# Allegro board SDHCalFEB20180110.brd (continued)
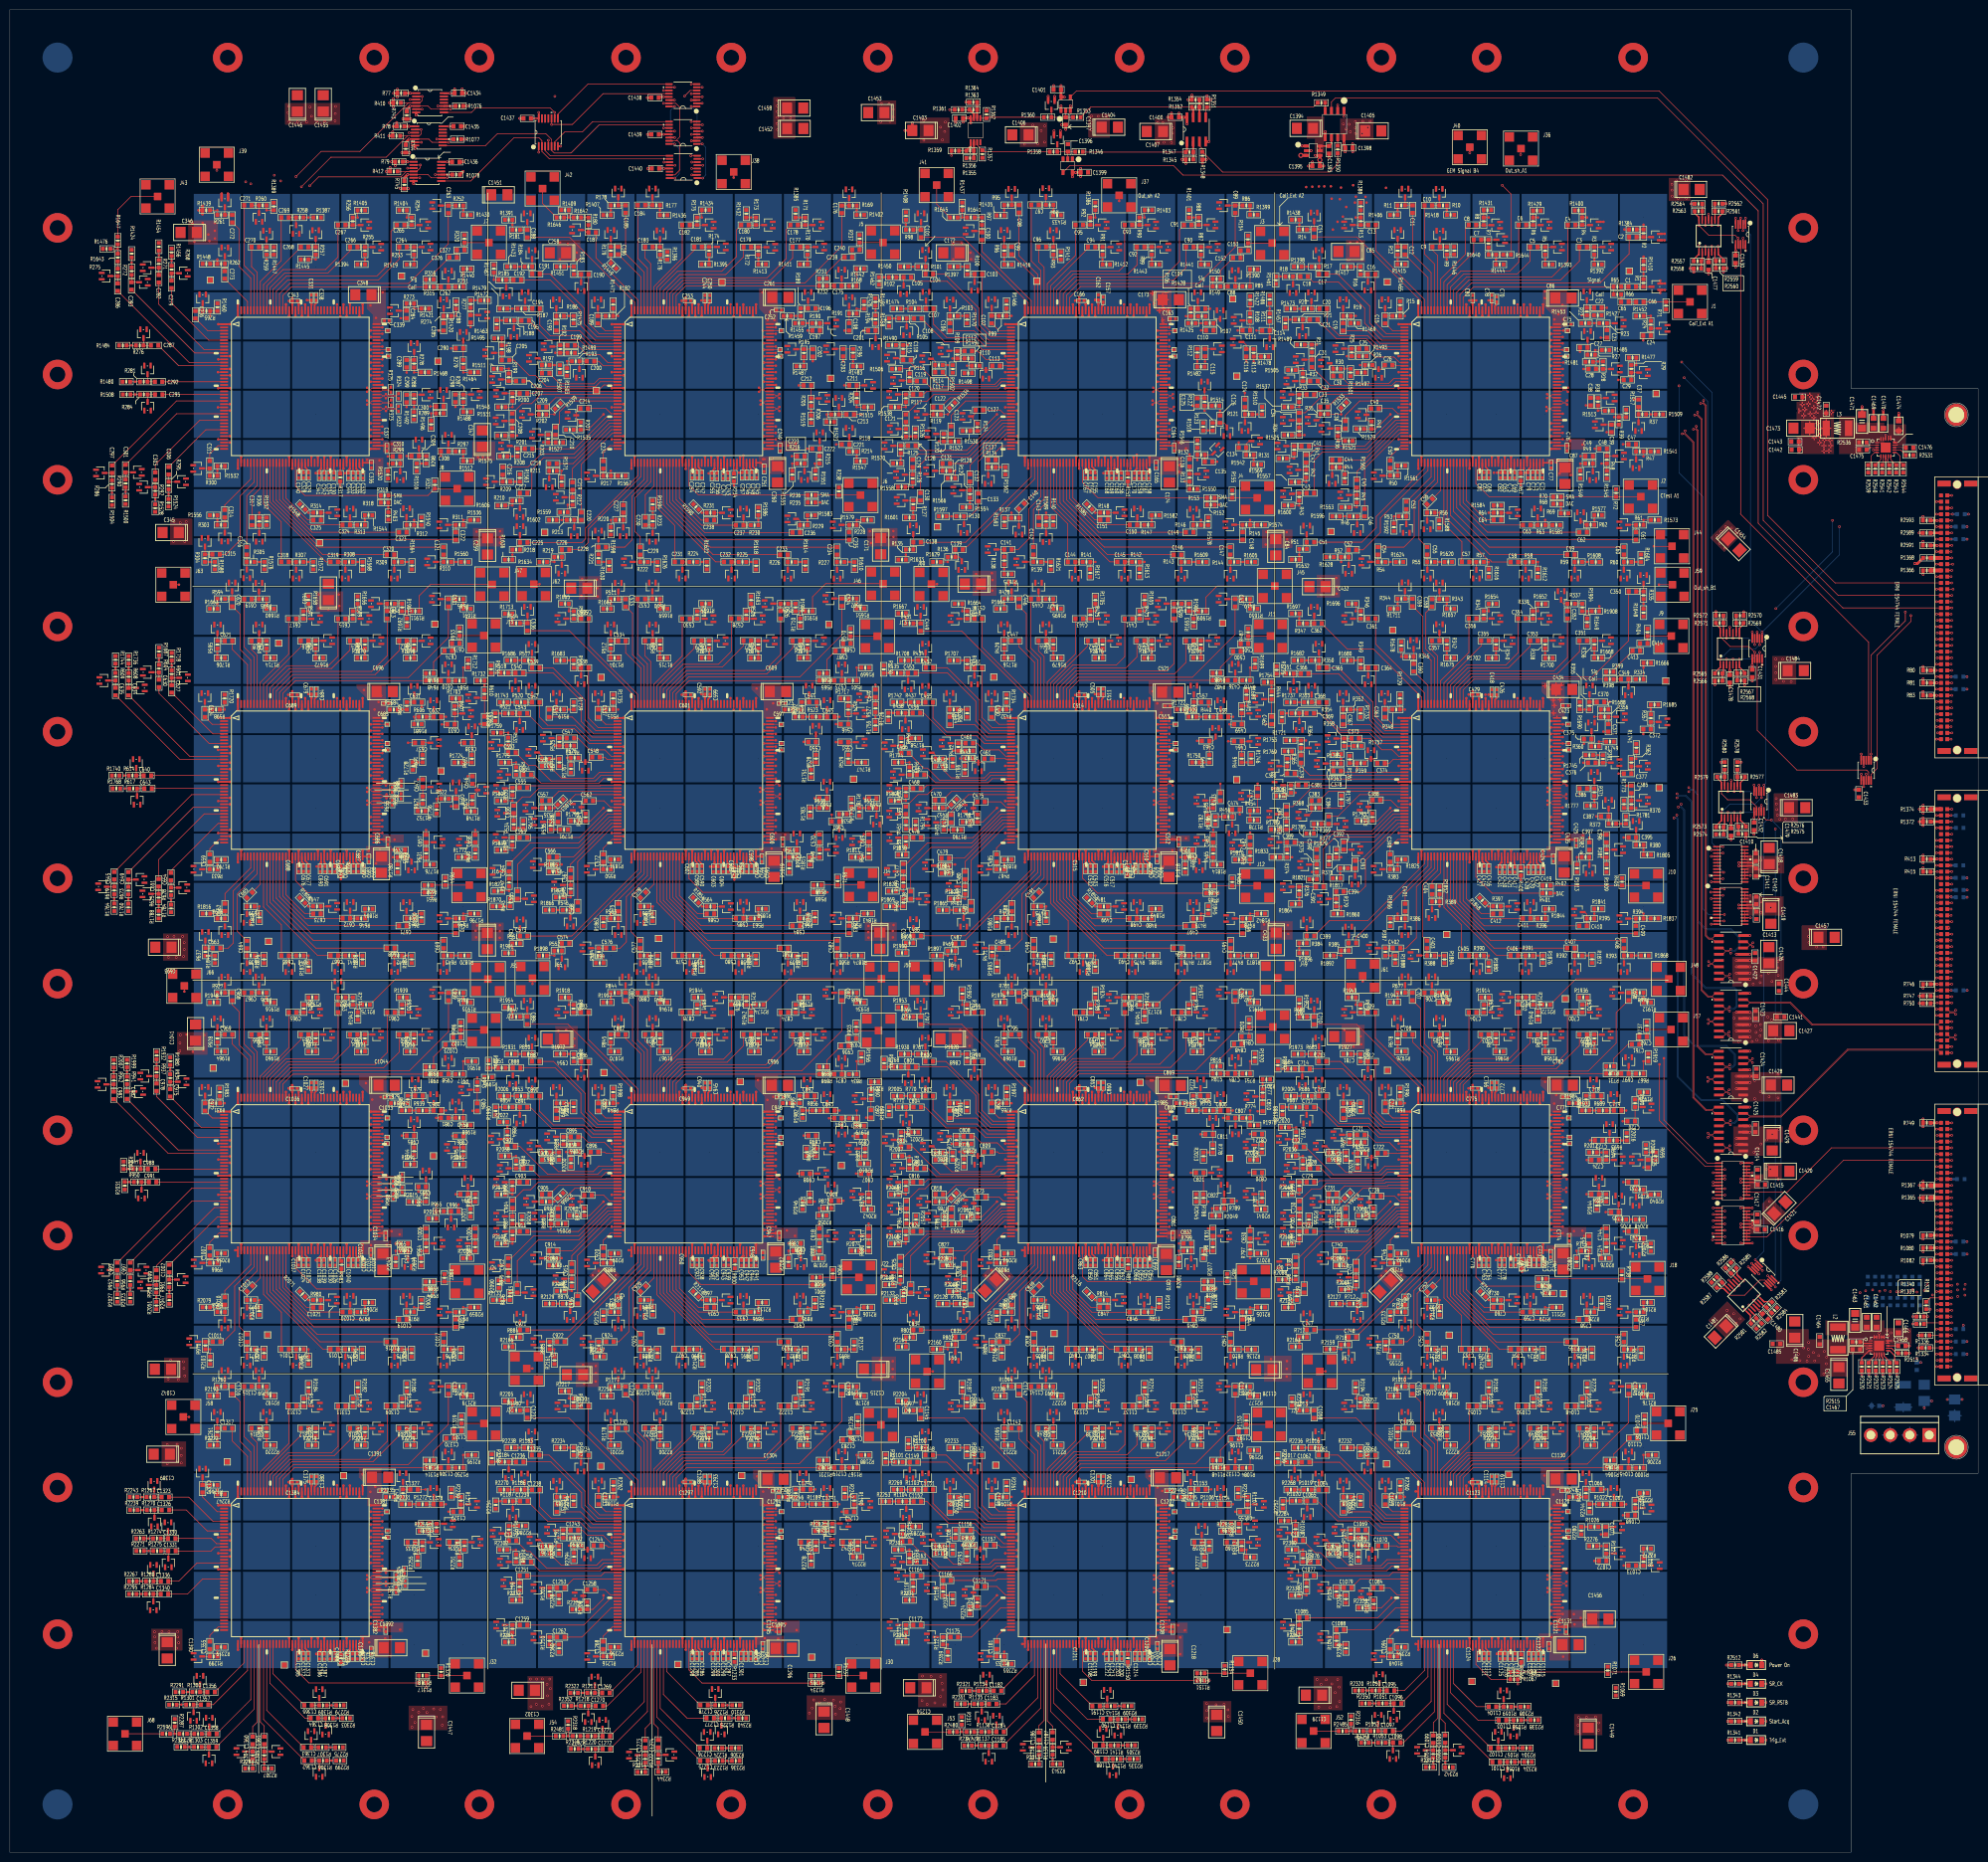
[diagram p0: board, top side]
## Routing (per net, layer and track width the routed paths; a pad name or vN(x,y) marks a point on that pad's centre or on a via; arc(x,y) is an arc through that point) (continued)
ESD_SIGNAL13_ASIC_D3: length 3
  TOP w0.127: C1231.1 114.64,90.67 R1179.2 114.62,90.68 U923.3
ESD_SIGNAL14_ASIC_A1: length 3.2
  TOP w0.127: U14.3 265.21,330.39 265.22,330.38 C14.1 264.58,329.78 264.57,329.76 R14.2
ESD_SIGNAL14_ASIC_A2: length 3.2
  TOP w0.127: U79.3 185.28,330.29 185.28,330.29 C101.1 184.65,329.69 184.64,329.7 R98.2
ESD_SIGNAL14_ASIC_A3: length 3.1
  TOP w0.127: U144.3 105.22,331.28 C188.1 R181.2
ESD_SIGNAL14_ASIC_B1: length 3.1
  TOP w0.127: R347.2 264.63,249.71 264.63,249.7 C362.1 265.23,250.34 265.23,250.34 U274.3
ESD_SIGNAL14_ASIC_B5: length 3.1
  TOP w0.127: R431.2 C449.1 185.21,250.3 185.2,250.32 U339.3
ESD_SIGNAL14_ASIC_B6: length 3.1
  TOP w0.127: R514.2 C536.1 105.25,250.36 105.26,250.36 105.26,251.33
ESD_SIGNAL14_ASIC_C1: length 3.1
  TOP w0.127: U534.3 265.23,169.76 C710.1 R680.2
ESD_SIGNAL14_ASIC_C2: length 3
  TOP w0.127: R764.2 C797.1 185.21,171.29 U599.3
ESD_SIGNAL14_ASIC_C3: length 3
  TOP w0.127: U664.3 105.21,169.78 C884.1 R847.2
ESD_SIGNAL14_ASIC_D1: length 3
  TOP w0.127: C1058.1 R1013.2 263.73,89.77 U794.3
ESD_SIGNAL14_ASIC_D2: length 3
  TOP w0.127: R1097.2 C1145.1 185.2,89.78 U859.3
ESD_SIGNAL14_ASIC_D3: length 3
  TOP w0.127: R1180.2 C1232.1 105.21,89.81 U924.3
ESD_SIGNAL15_ASIC_A1: length 3.1
  TOP w0.127: R15.2 280.6,312.2 280.59,312.2 C15.1 279.66,312.8 279.66,312.81 U15.3
ESD_SIGNAL15_ASIC_A2: length 3.1
  TOP w0.127: U80.3 199.65,312.82 199.66,312.81 C102.1 200.29,312.22 200.3,312.21 R99.2
ESD_SIGNAL15_ASIC_A3: length 3.2
  TOP w0.127: U145.3 119.56,313.04 119.57,313.03 C189.1 R182.2
ESD_SIGNAL15_ASIC_A4: length 3.1
  TOP w0.127: C276.1 R265.2 39.21,314.02 39.22,314.03 U210.3
ESD_SIGNAL15_ASIC_B1: length 3.1
  TOP w0.127: U275.3 279.61,232.82 279.62,232.8 C363.1 R348.2
ESD_SIGNAL15_ASIC_B5: length 3.1
  TOP w0.127: U340.3 199.65,232.81 199.64,232.8 C450.1 R432.2
ESD_SIGNAL15_ASIC_B6: length 3.1
  TOP w0.127: R515.2 C537.1 119.68,232.8 119.66,232.82 U405.3
ESD_SIGNAL15_ASIC_B7: length 3.1
  TOP w0.127: R598.2 C624.1 39.67,233.76 U470.3
ESD_SIGNAL15_ASIC_C1: length 3.1
  TOP w0.127: U535.3 279.68,152.21 C711.1 R681.2
ESD_SIGNAL15_ASIC_C2: length 3.1
  TOP w0.127: U600.3 199.67,152.2 C798.1 R765.2
ESD_SIGNAL15_ASIC_C3: length 3
  TOP w0.127: U665.3 119.69,152.2 C885.1 R848.2
ESD_SIGNAL15_ASIC_C4: length 3
  TOP w0.127: R931.2 C972.1 39.7,152.2 U730.3
ESD_SIGNAL15_ASIC_D1: length 3
  TOP w0.127: U795.3 279.7,73.73 C1059.1 R1014.2
ESD_SIGNAL15_ASIC_D3: length 3
  TOP w0.127: U925.3 119.71,72.22 C1233.1 R1181.2
ESD_SIGNAL15_ASIC_D4: length 3
  TOP w0.127: U990.3 39.19,76.17 C1320.1 R1264.2
ESD_SIGNAL16_ASIC_A1: length 3
  TOP w0.127: U16.3 276.14,319.9 276.14,319.9 C16.1 275.54,320.67 275.53,320.67 R16.2
ESD_SIGNAL16_ASIC_A2: length 3.1
  TOP w0.127: R100.2 195.58,320.68 195.59,320.69 C103.1 196.19,319.87 196.18,319.86 U81.3
ESD_SIGNAL16_ASIC_A3: length 3.1
  TOP w0.127: U146.3 116.15,320.02 116.15,320.03 C190.1 115.56,320.66 115.55,320.67 R183.2
ESD_SIGNAL16_ASIC_B1: length 3.1
  TOP w0.127: U276.3 276.22,240.04 276.21,240.04 C364.1 275.3,240.68 275.3,240.68 R349.2
ESD_SIGNAL16_ASIC_B5: length 3.1
  TOP w0.127: R433.2 195.55,240.68 195.57,240.66 C451.1 196.16,239.84 196.16,239.84 U341.3
ESD_SIGNAL16_ASIC_B6: length 3.1
  TOP w0.127: U406.3 116.15,239.89 116.15,239.89 C538.1 115.56,240.69 115.55,240.68 R516.2
ESD_SIGNAL16_ASIC_C1: length 3.1
  TOP w0.127: R682.2 276.14,160.67 C712.1 276.15,159.11 U536.3
ESD_SIGNAL16_ASIC_C2: length 3
  TOP w0.127: U601.3 196.14,159.13 C799.1 196.13,160.67 R766.2
ESD_SIGNAL16_ASIC_C3: length 3
  TOP w0.127: U666.3 116.15,159.13 C886.1 116.15,160.67 R849.2
ESD_SIGNAL16_ASIC_D1: length 3
  TOP w0.127: 276.12,80.66 C1060.1 ; 276.12,80.66 276.12,80.66 R1015.2 ; 276.12,80.66 U796.3
ESD_SIGNAL16_ASIC_D2: length 3
  TOP w0.127: R1099.2 196.13,80.66 C1147.1 196.14,79.12 U861.3
ESD_SIGNAL16_ASIC_D3: length 3.1
  TOP w0.127: U926.3 116.13,79.12 C1234.1 116.11,80.69 R1182.2
ESD_SIGNAL17_ASIC_A1: length 3.1
  TOP w0.127: U17.3 266.23,322.8 266.22,322.79 R17.2 266.22,321.36 266.2,321.34 C17.1
ESD_SIGNAL17_ASIC_A2: length 3.1
  TOP w0.127: U82.3 186.22,322.8 186.21,322.8 R101.2 C104.1
ESD_SIGNAL17_ASIC_A3: length 3.1
  TOP w0.127: U147.3 106.21,323.79 R184.2 106.21,320.76 C191.1
ESD_SIGNAL17_ASIC_B1: length 3.1
  TOP w0.127: C365.1 266.22,241.6 266.2,241.62 R350.2 266.2,243.81 U277.3
ESD_SIGNAL17_ASIC_B5: length 3.1
  TOP w0.127: C452.1 186.23,241.35 186.22,241.36 R434.2 186.22,242.81 186.21,242.82 U342.3
ESD_SIGNAL17_ASIC_B6: length 3.1
  TOP w0.127: C539.1 106.2,241.32 106.18,241.34 R517.2 106.18,242.79 106.18,242.79 U407.3
ESD_SIGNAL17_ASIC_C1: length 3.1
  TOP w0.127: U537.3 266.17,162.21 R683.2 266.18,160.71 C713.1
ESD_SIGNAL17_ASIC_C2: length 3.1
  TOP w0.127: C800.1 186.17,160.72 R767.2 186.16,162.21 U602.3
ESD_SIGNAL17_ASIC_C3: length 3.1
  TOP w0.127: U667.3 106.18,162.21 R850.2 106.18,160.71 C887.1
ESD_SIGNAL17_ASIC_D1: length 3.1
  TOP w0.127: U797.3 266.15,82.2 R1016.2 266.17,82.18 C1061.1
ESD_SIGNAL17_ASIC_D2: length 3.1
  TOP w0.127: U862.3 186.16,82.2 R1100.2 186.17,80.71 C1148.1
ESD_SIGNAL17_ASIC_D3: length 3
  TOP w0.127: U927.3 106.15,82.2 R1183.2 106.16,80.7 C1235.1
ESD_SIGNAL18_ASIC_A1: length 3.1
  TOP w0.127: C18.1 261.82,320.21 261.82,320.21 R18.2 260.91,319.4 260.93,319.39 U18.3
ESD_SIGNAL18_ASIC_A2: length 3.1
  TOP w0.127: U83.3 181.74,318.42 C105.1 180.85,320.05 180.84,320.07 R102.2
ESD_SIGNAL18_ASIC_A3: length 3.1
  TOP w0.127: U148.3 100.92,317.94 R185.2 102.4,319.53 C192.1
ESD_SIGNAL18_ASIC_A4: length 3
  TOP w0.127: U213.3 33.49,320.87 33.49,320.87 R268.2 32.89,319.99 32.88,319.98 C279.1
ESD_SIGNAL18_ASIC_B1: length 3.1
  TOP w0.127: U278.3 261.06,238.89 261.04,238.9 R351.2 261.62,239.5 261.62,239.49 C366.1
ESD_SIGNAL18_ASIC_B5: length 3.1
  TOP w0.127: U343.3 182.65,238.98 182.65,238.98 C453.1 181.74,239.62 181.73,239.62 R435.2
ESD_SIGNAL18_ASIC_B6: length 1.5
  TOP w0.127: C540.1 102.22,239.64 102.22,239.65 R518.2
ESD_SIGNAL18_ASIC_B7: length 3
  TOP w0.127: C627.1 32.91,237.76 32.92,237.76 R601.2 33.52,238.65 33.52,238.65 U473.3
ESD_SIGNAL18_ASIC_C1: length 3.1
  TOP w0.127: U538.3 262.81,159.17 C714.1 262.81,159.18 R684.2
ESD_SIGNAL18_ASIC_C2: length 3.1
  TOP w0.127: R768.2 182.7,159.59 C801.1 182.7,158.02 U603.3
ESD_SIGNAL18_ASIC_C3: length 1.5
  TOP w0.127: C888.1 102.28,159.38 R851.2
ESD_SIGNAL18_ASIC_C4: length 3
  TOP w0.127: C975.1 32.61,155.07 R934.2 32.62,156.56 U733.3
ESD_SIGNAL18_ASIC_D1: length 3
  TOP w0.127: C1062.1 262.73,79.25 R1017.2 261.26,79.24 U798.3
ESD_SIGNAL18_ASIC_D2: length 3
  TOP w0.127: R1101.2 183,79.27 C1149.1 183,79.27 U863.3
ESD_SIGNAL18_ASIC_D3: length 3.1
  TOP w0.127: C1236.1 102.92,79.32 R1184.2 101.43,77.79 U928.3
ESD_SIGNAL18_ASIC_D4: length 3
  TOP w0.127: U993.3 29.34,72.17 R1267.2 30.83,72.16 C1323.1
ESD_SIGNAL19_ASIC_A1: length 3.1
  TOP w0.127: C19.1 271.12,311.33 271.14,311.35 R19.2 271.14,312.79 271.13,312.81 U19.3
ESD_SIGNAL19_ASIC_A2: length 3
  TOP w0.127: U84.3 191.17,312.81 191.19,312.79 R103.2 191.19,311.33 191.17,311.32 C106.1
ESD_SIGNAL19_ASIC_A3: length 3.1
  TOP w0.127: U149.3 111.13,312.8 111.14,312.79 R186.2 111.14,311.34 111.14,311.34 C193.1
ESD_SIGNAL19_ASIC_B1: length 3.1
  TOP w0.127: C367.1 271.12,231.31 271.11,231.31 R352.2 271.11,232.8 271.1,232.82 U279.3
ESD_SIGNAL19_ASIC_B5: length 3.1
  TOP w0.127: C454.1 191.16,231.31 191.15,231.31 R436.2 191.15,232.8 191.14,232.82 U344.3
ESD_SIGNAL19_ASIC_B6: length 3.1
  TOP w0.127: U409.3 111.15,232.82 111.17,232.8 R519.2 C541.1
ESD_SIGNAL19_ASIC_C1: length 3.1
  TOP w0.127: U539.3 271.2,152.21 R685.2 271.19,150.7 C715.1
ESD_SIGNAL19_ASIC_C2: length 3.1
  TOP w0.127: C802.1 191.18,150.7 R769.2 191.16,152.21 U604.3
ESD_SIGNAL19_ASIC_C3: length 3.1
  TOP w0.127: U669.3 111.15,152.21 R852.2 111.17,150.7 C889.1
ESD_SIGNAL19_ASIC_D1: length 3.1
  TOP w0.127: U799.3 271.17,72.2 R1018.2 271.19,70.69 C1063.1
ESD_SIGNAL19_ASIC_D2: length 3
  TOP w0.127: U864.3 191.19,72.2 R1102.2 191.2,70.68 C1150.1
ESD_SIGNAL19_ASIC_D3: length 3
  TOP w0.127: C1237.1 111.19,70.7 R1185.2 111.18,72.2 U929.3
ESD_SIGNAL20_ASIC_A1: length 3.2
  TOP w0.127: C20.1 265.71,313.67 265.7,313.66 R20.2 264.7,314.26 264.68,314.28 U20.3
ESD_SIGNAL20_ASIC_A2: length 3.2
  TOP w0.127: R104.2 185.7,313.66 185.71,313.65 C107.1 186.31,314.29 186.29,314.3 U85.3
ESD_SIGNAL20_ASIC_A3: length 3.1
  TOP w0.127: U150.3 104.78,315.29 R187.2 106.24,313.66 C194.1
ESD_SIGNAL20_ASIC_B1: length 3.1
  TOP w0.127: U280.3 264.72,234.28 264.73,234.28 R353.2 265.62,233.68 265.62,233.68 C368.1
ESD_SIGNAL20_ASIC_B5: length 3.1
  TOP w0.127: U345.3 186.19,234.31 186.18,234.31 C455.1 185.27,233.68 185.26,233.68 R437.2
ESD_SIGNAL20_ASIC_B6: length 3.1
  TOP w0.127: U410.3 106.2,234.31 106.2,234.31 C542.1 105.6,233.68 105.6,233.68 R520.2
ESD_SIGNAL20_ASIC_C1: length 3
  TOP w0.127: U540.3 266.2,153.67 C716.1 264.71,153.67 R686.2
ESD_SIGNAL20_ASIC_C2: length 3
  TOP w0.127: U605.3 186.19,153.67 C803.1 186.18,153.67 R770.2
ESD_SIGNAL20_ASIC_C3: length 3
  TOP w0.127: R853.2 104.71,153.67 C890.1 106.2,153.67 U670.3
ESD_SIGNAL20_ASIC_D1: length 3
  TOP w0.127: U800.3 266.17,73.65 C1064.1 264.69,73.65 R1019.2
ESD_SIGNAL20_ASIC_D2: length 3
  TOP w0.127: U865.3 186.19,73.7 C1151.1 186.18,73.69 R1103.2
ESD_SIGNAL20_ASIC_D3: length 3
  TOP w0.127: C1238.1 106.17,73.66 R1186.2 104.68,73.67 U930.3
ESD_SIGNAL21_ASIC_A1: length 3.1
  TOP w0.127: C21.1 263.78,311.45 263.77,311.45 R21.2 262.89,310.64 262.88,310.62 U21.3
ESD_SIGNAL21_ASIC_A2: length 3.2
  TOP w0.127: C108.1 183.27,311.67 183.26,311.68 R105.2 182.35,311.09 182.36,311.07 U86.3
ESD_SIGNAL21_ASIC_A3: length 3.1
  TOP w0.127: U151.3 102.52,309.69 R188.2 104.03,311.28 C195.1
ESD_SIGNAL21_ASIC_A4: length 3
  TOP w0.127: U216.3 29.55,322 29.57,322.01 R271.2 30.3,321.44 30.29,321.43 C282.1
ESD_SIGNAL21_ASIC_B1: length 3.1
  TOP w0.127: U281.3 262.2,230.59 262.19,230.61 R354.2 263.08,231.44 263.08,231.44 C369.1
ESD_SIGNAL21_ASIC_B5: length 3.1
  TOP w0.127: C456.1 182.68,231.52 182.67,231.52 R438.2 182.1,230.92 182.11,230.91 U346.3
ESD_SIGNAL21_ASIC_B6: length 3.1
  TOP w0.127: R521.2 102.76,231.42 102.77,231.42 C543.1 103.68,230.78 103.68,230.78 U411.3
ESD_SIGNAL21_ASIC_B7: length 3
  TOP w0.127: C630.1 30.32,238.87 30.33,238.88 R604.2 29.73,239.77 29.72,239.78 U476.3
ESD_SIGNAL21_ASIC_C1: length 3.1
  TOP w0.127: U541.3 263.7,149.84 C717.1 263.7,151.41 R687.2
ESD_SIGNAL21_ASIC_C2: length 3
  TOP w0.127: U606.3 182.27,151.4 R771.2 183.74,151.41 C804.1
ESD_SIGNAL21_ASIC_C3: length 3
  TOP w0.127: U671.3 103.7,151.38 C891.1 103.7,151.38 R854.2
ESD_SIGNAL21_ASIC_C4: length 3
  TOP w0.127: U736.3 29.83,157.71 R937.2 29.84,157.7 C978.1
ESD_SIGNAL21_ASIC_D1: length 3
  TOP w0.127: R1020.2 263.78,71.4 C1065.1 263.79,69.86 U801.3
ESD_SIGNAL21_ASIC_D2: length 3.1
  TOP w0.127: U866.3 182.28,69.74 R1104.2 183.77,71.27 C1152.1
ESD_SIGNAL21_ASIC_D3: length 3.1
  TOP w0.127: C1239.1 103.76,71.32 R1187.2 102.27,69.79 U931.3
ESD_SIGNAL21_ASIC_D4: length 3.1
  TOP w0.127: U996.3 29.4,67.98 R1270.2 30.88,69.52 C1326.1
ESD_SIGNAL22_ASIC_A1: length 3.1
  TOP w0.127: U22.3 320.68,314.42 320.68,314.42 R22.2 C22.1
ESD_SIGNAL22_ASIC_A2: length 3.1
  TOP w0.127: U87.3 241.56,314.3 241.58,314.29 C109.1 240.98,313.65 240.97,313.66 R106.2
ESD_SIGNAL22_ASIC_A3: length 3.1
  TOP w0.127: R189.2 161.71,313.72 161.71,313.73 C196.1 162.31,314.36 162.31,314.37 U152.3
ESD_SIGNAL22_ASIC_A4: length 3
  TOP w0.127: U217.3 25.51,319.05 25.51,319.05 C283.1 24.75,320.53 R272.2
ESD_SIGNAL22_ASIC_B1: length 3.1
  TOP w0.127: C370.1 322.69,233.74 R355.2 321.21,235.33 U282.3
ESD_SIGNAL22_ASIC_B5: length 3.1
  TOP w0.127: C457.1 242.25,233.74 R439.2 240.77,233.74 U347.3
ESD_SIGNAL22_ASIC_B6: length 3.1
  TOP w0.127: R522.2 161.93,233.71 161.94,233.73 C544.1 162.53,234.36 162.54,234.37 U412.3
ESD_SIGNAL22_ASIC_B7: length 3.1
  TOP w0.127: U477.3 82.22,234.34 82.22,234.34 C631.1 81.33,233.7 81.32,233.71 R605.2
ESD_SIGNAL22_ASIC_C1: length 3.1
  TOP w0.127: R688.2 322.01,153.73 C718.1 322.03,153.72 U542.3
ESD_SIGNAL22_ASIC_C2: length 3.1
  TOP w0.127: U607.3 242.12,153.72 C805.1 242.1,153.73 R772.2
ESD_SIGNAL22_ASIC_C3: length 3.1
  TOP w0.127: U672.3 162.13,153.72 C892.1 160.64,153.72 R855.2
ESD_SIGNAL22_ASIC_C4: length 3
  TOP w0.127: R938.2 80.94,153.74 C979.1 82.43,153.75 U737.3
ESD_SIGNAL22_ASIC_D1: length 3
  TOP w0.127: 320.5,73.72 R1021.2 ; 320.5,73.72 U802.3 ; 320.5,73.72 C1066.1
ESD_SIGNAL22_ASIC_D2: length 3.1
  TOP w0.127: C1153.1 241.64,73.72 R1105.2 240.14,73.72 U867.3
ESD_SIGNAL22_ASIC_D3: length 3
  TOP w0.127: R1188.2 161.3,73.72 C1240.1 161.29,73.73 U932.3
ESD_SIGNAL22_ASIC_D4: length 3
  TOP w0.127: U997.3 79.94,73.72 R1271.2 79.95,73.71 C1327.1
ESD_SIGNAL23_ASIC_A1: length 3
  TOP w0.127: U23.3 325.62,310.71 325.62,310.71 R23.2 324.77,309.92 324.76,309.91 C23.1
ESD_SIGNAL23_ASIC_A2: length 3.2
  TOP w0.127: U88.3 245.63,311.6 244.78,310.74 R107.2 C110.1
ESD_SIGNAL23_ASIC_A3: length 3.1
  TOP w0.127: C197.1 164.7,309.25 R190.2 166.26,310.72 U153.3
ESD_SIGNAL23_ASIC_A4: length 3.1
  TOP w0.127: R273.2 80.66,314.11 80.66,314.11 C284.1 80.02,313.26 80.02,313.26 U218.3
ESD_SIGNAL23_ASIC_B1: length 3.1
  TOP w0.127: C371.1 325.05,229.25 R356.2 326.64,230.73 U283.3
ESD_SIGNAL23_ASIC_B5: length 3.1
  TOP w0.127: U348.3 246.23,232.3 C458.1 246.22,230.73 R440.2
ESD_SIGNAL23_ASIC_B6: length 3.1
  TOP w0.127: R523.2 165.27,230.73 165.28,230.73 C545.1 166.19,231.36 166.2,231.37 U413.3
ESD_SIGNAL23_ASIC_B7: length 1.5
  TOP w0.127: C632.1 84.7,230.73 R606.2
ESD_SIGNAL23_ASIC_C1: length 3.1
  TOP w0.127: U543.3 326.19,150.72 C719.1 326.18,150.72 R689.2
ESD_SIGNAL23_ASIC_C2: length 3
  TOP w0.127: R773.2 246.17,150.72 C806.1 246.18,152.27 246.18,152.27
ESD_SIGNAL23_ASIC_C3: length 3
  TOP w0.127: 166.2,152.27 166.2,150.72 C893.1 164.71,150.72 R856.2
ESD_SIGNAL23_ASIC_C4: length 3
  TOP w0.127: R939.2 86.18,150.72 C980.1 86.19,150.72 86.19,152.27
ESD_SIGNAL23_ASIC_D1: length 3
  TOP w0.127: R1022.2 326.18,70.71 326.19,70.71 ; U803.3 326.19,70.71 ; 326.19,70.71 C1067.1
ESD_SIGNAL23_ASIC_D2: length 3.1
  TOP w0.127: R1106.2 244.7,70.7 C1154.1 246.21,70.71 U868.3
ESD_SIGNAL23_ASIC_D3: length 3
  TOP w0.127: U933.3 166.17,70.71 C1241.1 164.69,70.7 R1189.2
ESD_SIGNAL23_ASIC_D4: length 3
  TOP w0.127: U998.3 86.19,70.71 C1328.1 84.7,70.71 R1272.2
ESD_SIGNAL24_ASIC_A1: length 3.1
  TOP w0.127: C24.1 333.67,308.83 333.68,308.84 R24.2 334.27,309.67 334.28,309.67 U24.3
ESD_SIGNAL24_ASIC_A2: length 3.5
  TOP w0.127: U89.3 251.43,311.29 251.6,311.12 R108.2 C111.1
ESD_SIGNAL24_ASIC_A3: length 3.5
  TOP w0.127: U154.3 170.67,313.28 170.68,313.27 R191.2 170.68,312.08 170.68,312.07 C198.1
ESD_SIGNAL24_ASIC_A4: length 3.1
  TOP w0.127: U219.3 88.22,312.8 88.21,312.79 R274.2 88.21,311.59 88.2,311.59 C285.1
ESD_SIGNAL24_ASIC_B1: length 3.1
  TOP w0.127: C372.1 R357.2 334.28,229.68 334.28,229.69 U284.3
ESD_SIGNAL24_ASIC_B5: length 3.8
  TOP w0.127: U349.3 252.09,231.44 R441.2 C459.1
ESD_SIGNAL24_ASIC_B6: length 3.8
  TOP w0.127: U414.3 171.09,231.42 171.08,231.41 R524.2 C546.1
ESD_SIGNAL24_ASIC_B7: length 3.8
  TOP w0.127: C633.1 R607.2 91.24,231.41 91.25,231.42 U479.3
ESD_SIGNAL24_ASIC_C1: length 4.5
  TOP w0.127: C720.1 330.48,148.57 R690.2 330.48,151.43 U544.3
ESD_SIGNAL24_ASIC_C2: length 3.1
  TOP w0.127: U609.3 249.2,147.7 C807.1 249.2,149.2 R774.2
ESD_SIGNAL24_ASIC_C3: length 3.1
  TOP w0.127: U674.3 169.16,147.62 C894.1 169.17,149.15 R857.2
ESD_SIGNAL24_ASIC_C4: length 3
  TOP w0.127: C981.1 89.18,149.22 R940.2 90.67,150.76 U739.3
ESD_SIGNAL24_ASIC_D1: length 3
  TOP w0.127: C1068.1 330.5,68.47 R1023.2 332.05,69.94 U804.3
ESD_SIGNAL24_ASIC_D2: length 3.1
  TOP w0.127: U869.3 253.23,70.68 R1107.2 251.69,69.19 C1155.1
ESD_SIGNAL24_ASIC_D3: length 3.1
  TOP w0.127: C1242.1 171.68,69.19 R1190.2 173.22,70.68 U934.3
ESD_SIGNAL24_ASIC_D4: length 3
  TOP w0.127: U999.3 93.24,70.68 R1273.2 C1329.1
ESD_SIGNAL25_ASIC_A1: length 3.1
  TOP w0.127: U25.3 272.25,305.55 272.25,305.54 R25.2 273.75,305.54 273.76,305.55 C25.1
ESD_SIGNAL25_ASIC_A2: length 3.1
  TOP w0.127: C112.1 193.54,305.07 193.52,305.08 R109.2 192.06,305.08 192.05,305.09 U90.3
ESD_SIGNAL25_ASIC_A3: length 3.2
  TOP w0.127: U155.3 111.13,305.97 111.38,306.22 R192.2 111.92,306.21 C199.1
ESD_SIGNAL25_ASIC_A4: length 3
  TOP w0.127: C286.1 21.95,318.81 R275.2 20.46,320.29 U220.3
ESD_SIGNAL25_ASIC_B1: length 3.1
  TOP w0.127: U285.3 270.72,226.32 270.73,226.32 R358.2 271.92,226.32 271.93,226.34 C373.1
ESD_SIGNAL25_ASIC_B5: length 3.1
  TOP w0.127: C460.1 193.45,225.37 193.45,225.37 R442.2 192.26,225.37 192.25,225.38 U350.3
ESD_SIGNAL25_ASIC_B6: length 3.1
  TOP w0.127: U415.3 111.73,226.39 R525.2 113.22,226.4 C547.1
ESD_SIGNAL25_ASIC_B7: length 3
  TOP w0.127: U480.3 24.79,236.6 24.79,236.6 C634.1 24.15,237.2 24.16,237.2 R608.2
ESD_SIGNAL25_ASIC_C1: length 3.1
  TOP w0.127: U545.3 272.46,145.77 R691.2 273.95,145.78 C721.1
ESD_SIGNAL25_ASIC_C2: length 3.1
  TOP w0.127: C808.1 192.49,145.46 R775.2 192.48,145.47 U610.3
ESD_SIGNAL25_ASIC_C3: length 3.1
  TOP w0.127: C895.1 112.59,145.36 R858.2 111.03,145.37 U675.3
ESD_SIGNAL25_ASIC_C4: length 3
  TOP w0.127: R941.2 23.83,154.59 C982.1 23.83,154.58 U740.3
ESD_SIGNAL25_ASIC_D1: length 3.1
  TOP w0.127: C1069.1 274.17,65.46 R1024.2 272.66,65.46 U805.3
ESD_SIGNAL25_ASIC_D3: length 3
  TOP w0.127: U935.3 111,65.44 R1191.2 112.53,65.44 C1243.1
ESD_SIGNAL25_ASIC_D4: length 3
  TOP w0.127: U1000.3 32.16,63.75 C1330.1 30.67,63.75 R1274.2
ESD_SIGNAL26_ASIC_A1: length 3.2
  TOP w0.127: C26.1 279.6,302.17 278.82,301.39 U26.3 277.88,301.39 277.09,302.18 R26.2
ESD_SIGNAL26_ASIC_A2: length 3.4
  TOP w0.127: C113.1 199.8,302.03 198.98,301.22 U91.3 198.02,301.22 R110.2
ESD_SIGNAL26_ASIC_A3: length 3.1
  TOP w0.127: C200.1 116.41,302.98 116.4,303 R193.2 115.82,302.4 115.82,302.4 U156.3
ESD_SIGNAL26_ASIC_A4: length 3
  TOP w0.127: U221.3 27.19,307.72 R276.2 28.66,306.2 C287.1
ESD_SIGNAL26_ASIC_B1: length 3.4
  TOP w0.127: C374.1 278.08,221.32 277.22,222.17 U286.3 276.31,222.17 275.47,221.34 R359.2
ESD_SIGNAL26_ASIC_B5: length 3.2
  TOP w0.127: R443.2 195.71,222.23 196.5,221.44 U351.3 197.45,221.44 198.2,222.18 C461.1
ESD_SIGNAL26_ASIC_B6: length 3.6
  TOP w0.127: C548.1 117.43,221.54 U416.3 116.47,221.54 R526.2
ESD_SIGNAL26_ASIC_B7: length 3
  TOP w0.127: C635.1 21.48,237.22 21.49,237.23 R609.2 20.75,238.12 20.74,238.1 U481.3
ESD_SIGNAL26_ASIC_C1: length 3.3
  TOP w0.127: R692.2 276.49,141.15 U546.3 277.25,141.15 C722.1
ESD_SIGNAL26_ASIC_C2: length 3.3
  TOP w0.127: C809.1 197.29,141.48 U611.3 196.38,141.48 R776.2
ESD_SIGNAL26_ASIC_C3: length 3.2
  TOP w0.127: R859.2 116.42,141.48 U676.3 117.33,141.48 C896.1
ESD_SIGNAL26_ASIC_C4: length 3
  TOP w0.127: U741.3 19.62,156.05 R942.2 21.13,154.56 C983.1
ESD_SIGNAL26_ASIC_D1: length 3.2
  TOP w0.127: C1070.1 277.47,61.44 U806.3 276.54,61.44 R1025.2
ESD_SIGNAL26_ASIC_D2: length 3.2
  TOP w0.127: C1157.1 197.79,61.57 U871.3 196.91,61.57 R1109.2
ESD_SIGNAL26_ASIC_D3: length 3.2
  TOP w0.127: C1244.1 117.9,61.49 U936.3 117.03,61.49 R1192.2
ESD_SIGNAL26_ASIC_D4: length 3
  TOP w0.127: U1001.3 32.23,61.19 C1331.1 32.2,61.21 R1275.2
ESD_SIGNAL27_ASIC_A1: length 3.1
  TOP w0.127: U27.3 320.81,306.41 320.81,306.41 C27.1 320.81,305.14 320.82,305.13 R27.2
ESD_SIGNAL27_ASIC_A2: length 3.5
  TOP w0.127: U92.3 256.2,308.37 256.18,308.38 C114.1 R111.2
ESD_SIGNAL27_ASIC_A3: length 3.1
  TOP w0.127: U157.3 176.05,307.62 C201.1 176.05,310.15 176.03,310.17 R194.2
ESD_SIGNAL27_ASIC_A4: length 3.1
  TOP w0.127: U222.3 94.53,312.37 94.52,312.37 C288.1 93.69,312.97 93.7,312.98 R277.2
ESD_SIGNAL27_ASIC_B1: length 3.1
  TOP w0.127: U287.3 321.62,226.22 C375.1 321.61,226.21 R360.2
ESD_SIGNAL27_ASIC_B5: length 5.1
  TOP w0.127: C462.1 256.59,231.36 256.57,231.37 R444.2 255.98,234.31 255.97,234.32 U352.3
ESD_SIGNAL27_ASIC_B6: length 3.1
  TOP w0.127: U417.3 175.39,234.75 175.39,234.75 C549.1 176.03,233.78 176.02,233.78 R527.2
ESD_SIGNAL27_ASIC_B7: length 5.4
  TOP w0.127: U482.3 95.72,234.6 95.73,234.61 R610.2 96.52,234.04 96.52,234.04 C636.1
ESD_SIGNAL27_ASIC_C1: length 3
  TOP w0.127: 325.31,144.66 R693.2 ; 325.31,144.66 325.3,144.67 U547.3 ; 325.31,144.66 C723.1
ESD_SIGNAL27_ASIC_C2: length 3
  TOP w0.127: C810.1 254.76,152.1 R777.2 253.23,153.58 U612.3
ESD_SIGNAL27_ASIC_C3: length 3.9
  TOP w0.127: U677.3 173.57,153.13 R860.2 175.11,150.8 C897.1
ESD_SIGNAL27_ASIC_C4: length 4.3
  TOP w0.127: C984.1 95.04,152.79 95.05,152.8 R943.2 93.54,154.96 U742.3
ESD_SIGNAL27_ASIC_D1: length 3.1
  TOP w0.127: U807.3 326.08,66.11 C1071.1 324.51,66.12 R1026.2
ESD_SIGNAL27_ASIC_D3: length 3.1
  TOP w0.127: U937.3 168.77,66.79 R1193.2 165.73,66.79 C1245.1
ESD_SIGNAL27_ASIC_D4: length 3.1
  TOP w0.127: U1002.3 86.78,66.75 R1276.2 85.27,66.76 C1332.1
ESD_SIGNAL28_ASIC_A1: length 3.1
  TOP w0.127: U28.3 324.57,301.41 324.57,301.42 R28.2 C28.1
ESD_SIGNAL28_ASIC_A2: length 3.3
  TOP w0.127: U93.3 243.69,305.5 243.67,305.51 C115.1 R112.2
ESD_SIGNAL28_ASIC_A3: length 3.4
  TOP w0.127: C202.1 R195.2 159.87,305.44 U158.3
ESD_SIGNAL28_ASIC_A4: length 3.2
  TOP w0.127: C289.1 81.59,303.25 81.6,303.26 R278.2 82.19,303.83 82.2,303.83 U223.3
ESD_SIGNAL28_ASIC_B1: length 3.1
  TOP w0.127: C376.1 323.05,221.39 323.06,221.4 R361.2 324.55,221.4 324.55,221.41 U288.3
ESD_SIGNAL28_ASIC_B5: length 4.7
  TOP w0.127: R445.2 243.93,223.56 243.92,223.57 C463.1 244.71,225.84 245.19,226.32 U353.3
ESD_SIGNAL28_ASIC_B6: length 4.2
  TOP w0.127: R528.2 C550.1 163.91,226.27 163.91,226.27 U418.3
ESD_SIGNAL28_ASIC_B7: length 4
  TOP w0.127: U483.3 85.49,225.45 C637.1 R611.2
ESD_SIGNAL28_ASIC_C1: length 3.1
  TOP w0.127: C724.1 323.15,140.68 R694.2 324.64,140.69 U548.3
ESD_SIGNAL28_ASIC_C2: length 3.7
  TOP w0.127: R778.2 C811.1 244.63,147.44 U613.3
ESD_SIGNAL28_ASIC_C3: length 4.2
  TOP w0.127: U678.3 165.44,142.99 R861.2 C898.1
ESD_SIGNAL28_ASIC_C4: length 4
  TOP w0.127: R944.2 C985.1 82.2,145.63 U743.3
ESD_SIGNAL28_ASIC_D1: length 3.1
  TOP w0.127: C1072.1 324.64,59.21 R1027.2 326.21,60.7 U808.3
ESD_SIGNAL28_ASIC_D2: length 3.1
  TOP w0.127: R1111.2 243.89,63 C1159.1 242.37,63.02 U873.3
ESD_SIGNAL28_ASIC_D3: length 3.1
  TOP w0.127: U938.3 165.44,62.98 R1194.2 163.9,62.98 C1246.1
ESD_SIGNAL28_ASIC_D4: length 3.1
  TOP w0.127: C1333.1 83.89,62.97 R1277.2 85.43,62.98 U1003.3
ESD_SIGNAL29_ASIC_A1: length 3.1
  TOP w0.127: C29.1 329.7,299.83 329.71,299.84 R29.2 330.54,300.68 330.55,300.68 U29.3
ESD_SIGNAL29_ASIC_A2: length 3.6
  TOP w0.127: R113.2 C116.1 251.42,306.27 250.8,306.9 U94.3
ESD_SIGNAL29_ASIC_A3: length 3.7
  TOP w0.127: R196.2 C203.1 167.75,305.49 U159.3
ESD_SIGNAL29_ASIC_A4: length 4
  TOP w0.127: U224.3 92.21,306.24 92.2,306.24 C290.1 R279.2
ESD_SIGNAL29_ASIC_B1: length 3.1
  TOP w0.127: U289.3 330.32,220.67 330.31,220.67 R362.2 C377.1
ESD_SIGNAL29_ASIC_B5: length 4.4
  TOP w0.127: U354.3 251.1,225.75 251.09,225.76 C464.1 250.49,223.57 250.49,223.56 R446.2
ESD_SIGNAL29_ASIC_B6: length 4.2
  TOP w0.127: U419.3 171.28,225.57 171.28,225.58 C551.1 R529.2
ESD_SIGNAL29_ASIC_B7: length 4.1
  TOP w0.127: U484.3 93.93,226.09 93.93,226.09 C638.1 R612.2
ESD_SIGNAL29_ASIC_C1: length 3.1
  TOP w0.127: U549.3 333.14,140.69 C725.1 334.64,140.69 R695.2
ESD_SIGNAL29_ASIC_C2: length 3.8
  TOP w0.127: C812.1 R779.2 253.07,143.72 U614.3
ESD_SIGNAL29_ASIC_C3: length 4.1
  TOP w0.127: C899.1 R862.2 172.34,142.99 U679.3
ESD_SIGNAL29_ASIC_C4: length 3.9
  TOP w0.127: U744.3 90.66,143.21 R945.2 C986.1
ESD_SIGNAL29_ASIC_D1: length 3.1
  TOP w0.127: C1073.1 330.69,58.24 R1028.2 333.73,58.24 U809.3
ESD_SIGNAL29_ASIC_D2: length 3
  TOP w0.127: U874.3 252.03,62.98 R1112.2 250.49,62.98 C1160.1
ESD_SIGNAL29_ASIC_D3: length 3.1
  TOP w0.127: U939.3 172.43,62.99 R1195.2 170.92,63 C1247.1
ESD_SIGNAL29_ASIC_D4: length 3
  TOP w0.127: U1004.3 93.95,62.99 R1278.2 92.42,63 C1334.1
ESD_SIGNAL30_ASIC_A1: length 2.9
  TOP w0.127: U30.3 269.11,301.86 R30.2 269.11,300.63 269.1,300.63 C30.1
ESD_SIGNAL30_ASIC_A2: length 3.3
  TOP w0.127: U95.3 187.66,303.49 188.16,302.98 R114.2 C117.1
ESD_SIGNAL30_ASIC_A3: length 3.6
  TOP w0.127: C204.1 R197.2 108.2,303.05 107.67,303.58 U160.3
ESD_SIGNAL30_ASIC_B1: length 3.1
  TOP w0.127: U290.3 267.54,221.23 R363.2 269.16,219.75 C378.1
ESD_SIGNAL30_ASIC_B5: length 1.7
  TOP w0.127: U355.3 187.73,223.42 188.21,222.94 R447.2
ESD_SIGNAL30_ASIC_B6: length 1.9
  TOP w0.127: R530.2 108.22,222.82 107.57,223.47 U420.3
ESD_SIGNAL30_ASIC_C1: length 3.4
  TOP w0.127: U550.3 267.71,143.46 268.24,142.93 R696.2 268.25,142.18 C726.1
ESD_SIGNAL30_ASIC_C2: length 3.3
  TOP w0.127: C813.1 188.23,140.7 R780.2 188.23,142.96 187.73,143.46 U615.3
ESD_SIGNAL30_ASIC_C3: length 1.8
  TOP w0.127: R863.2 108.25,143.06 107.82,143.49 U680.3
ESD_SIGNAL30_ASIC_D1: length 3.3
  TOP w0.127: C1074.1 268.25,60.7 R1029.2 268.25,62.97 267.79,63.43 U810.3
ESD_SIGNAL30_ASIC_D2: length 3.3
  TOP w0.127: C1161.1 188.23,60.7 R1113.2 188.23,63 187.78,63.45 U875.3
ESD_SIGNAL30_ASIC_D3: length 3.3
  TOP w0.127: C1248.1 108.25,60.71 R1196.2 108.25,63.03 107.82,63.45 U940.3
ESD_SIGNAL31_ASIC_A1: length 3.1
  TOP w0.127: R31.2 264.77,303.92 264.77,303.91 C31.1 263.99,303.31 263.99,303.31 U31.3
